# Altium PCB TE0888.PcbDoc (part 1 of 2) (continued)
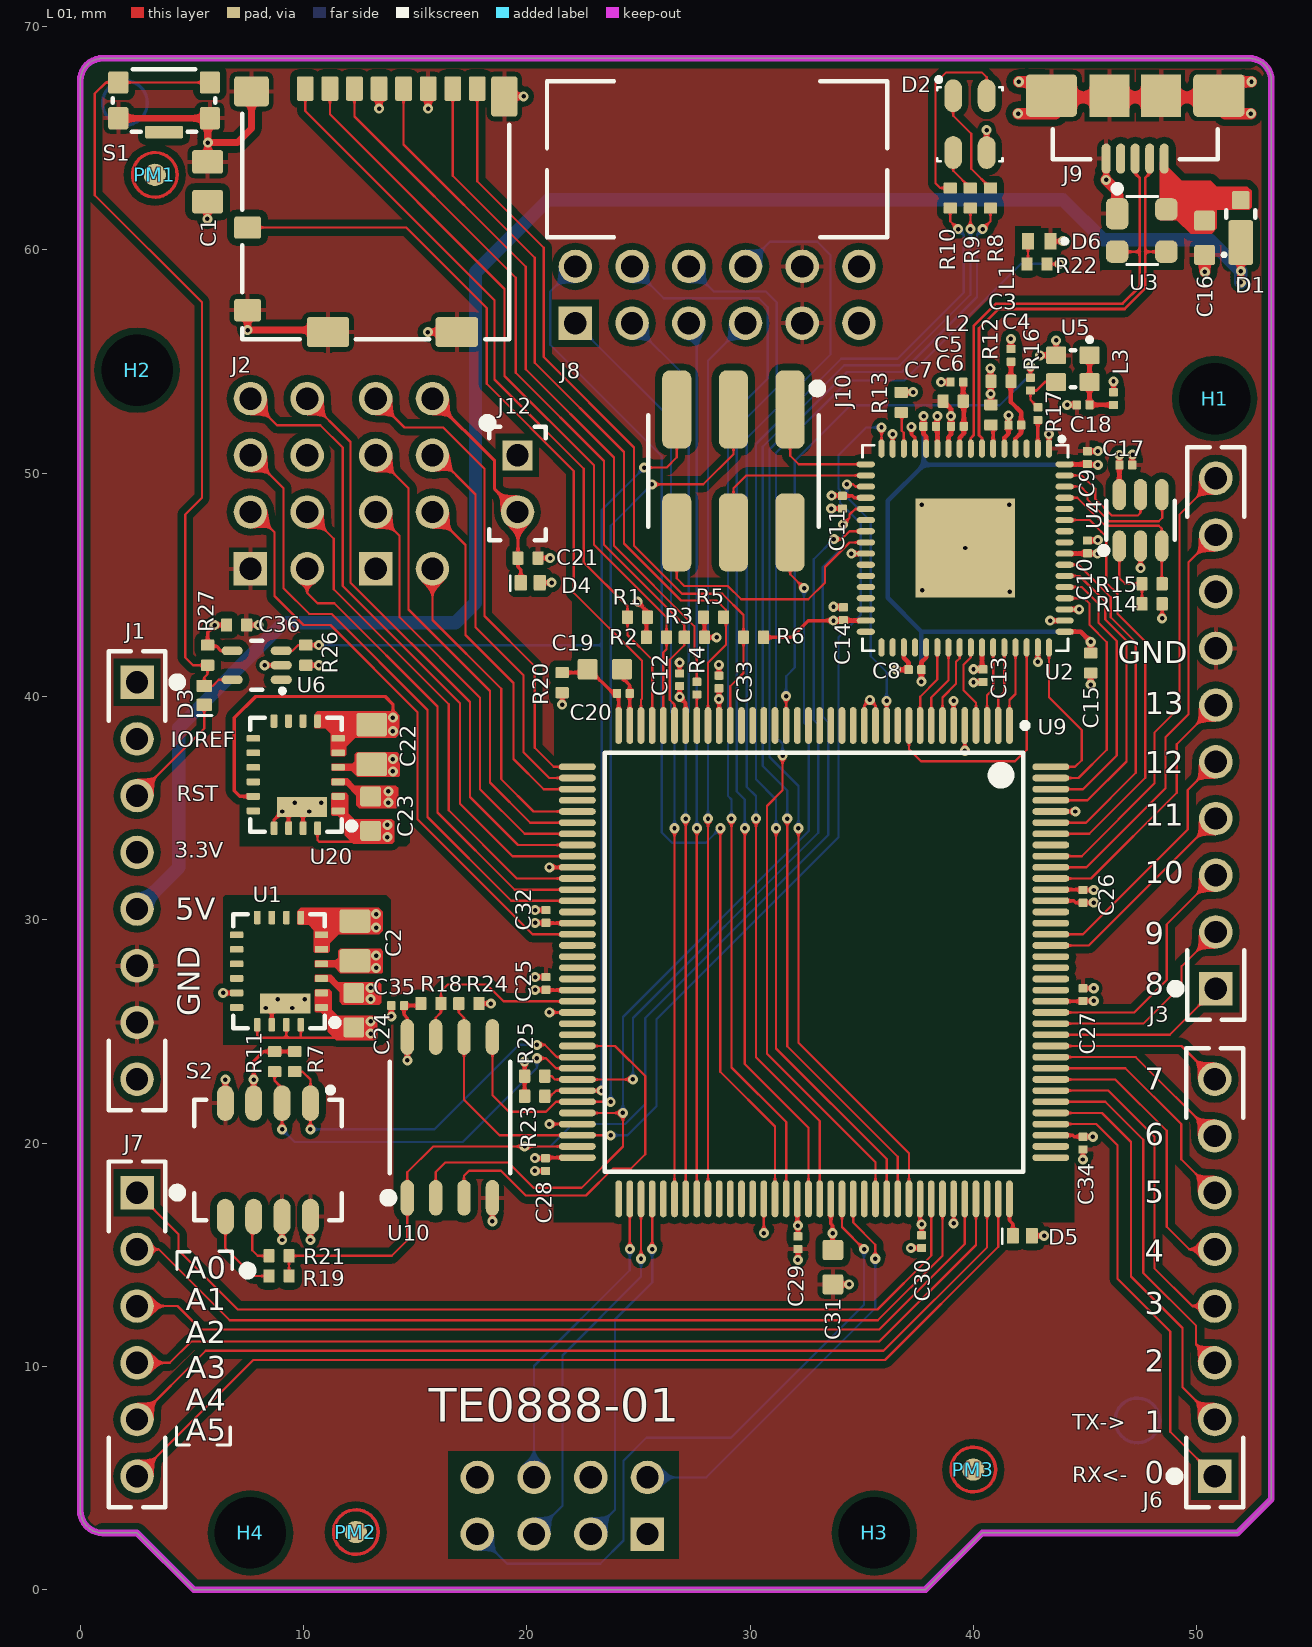
[diagram p0: L 01 view]
## Classes and differential pairs
net class FTDI_B: BCBUS0 BCBUS1 BCBUS2 BCBUS3 BCBUS4 BCBUS7 BDBUS0 BDBUS1 BDBUS2 BDBUS3 BDBUS4 BDBUS5 BDBUS6 BDBUS7
component class FTDI: C3 C4 C5 C6 C7 C8 C9 C10 C11 C12 C13 C14 C15 C16 C17 C18 J9 J10 L1 L2 L3 R12 R13 R14 R15 R16 R17 U2 U3 U4 U5
component class TE0888: H1 H2 H3 H4 PM1 PM2 PM3 PM4 PM5 PM6 R7 R11 R19 R21 S2
differential pair class Lendht22mm: MCB1_DRAM_CK MCB1_DRAM_DQS MCB1_DRAM_UDQ MCB3_DRAM_CK MCB3_DRAM_DQS MCB3_DRAM_UDQ
component class Arduino-Headers: C1 C21 D1 D2 D4 J1 J2 J3 J4 J5 J6 J7 J8 J11 J12 R1 R2 R3 R4 R5 R6 R8 R9 R10 S1
component class PowerSupply: C2 C22 C23 C24 C36 D3 R26 R27 U1 U6 U20
component class ICE: C19 C20 C25 C26 C27 C28 C29 C30 C31 C32 C33 C34 C35 D5 D6 R18 R20 R22 R23 R24 R25 U9 U10
differential pair D: +D_P -D_N

## Components (designator, comment, footprint, x,y, rotation, side; value= is the part's Value field where it differs from the comment)
C1 "47µF" CAPC2012X135N 5.7,63.05 r90 top
C2 "47µF" CAPC2012X135N 12.3,29.05 r90 top
C3 "4.7µF" CAPC1005X60N 41.23,54.12 r180 top
C4 "470nF" CAPC0603X33N 41.85,52.15 r180 top
C5 "4.7µF" CAPC1005X60N 39.09,53.23 r180 top
C6 "470nF" CAPC0603X33N 39.28,52.1 r180 top
C7 "470nF" CAPC0603X33N 38.04,52.1 r0 top
C8 "470nF" CAPC0603X33N 37.38,41.2 r180 top
C9 "470nF" CAPC0603X33N 45.1,50.7 r90 top
C10 "470nF" CAPC0603X33N 45.1,46.7 r90 top
C11 "470nF" CAPC0603X33N 34.13,48.7 r270 top
C12 "470nF" CAPC0603X33N 26.84,40.75 r90 top
C13 "470nF" CAPC0603X33N 40.43,40.93 r270 top
C14 "470nF" CAPC0603X33N 34.17,43.71 r270 top
C15 "4.7µF" CAPC1005X60N 45.25,41.501 r90 top
C16 "10µF" CAPC1608X90N 50.35,60.54 r90 top
C17 "470nF" CAPC0603X33N 46.82,50.37 r0 top
C18 "470nF" CAPC0603X33N 44.91,53.06 r0 top
C19 "10µF" CAPC1608X90N 23.49,41.22 r0 top
C20 "470nF" CAPC0603X33N 24.32,40.14 r180 top
C21 "4.7µF" CAPC1005X60N 20.05,46.2 r180 top
C22 "47µF" CAPC2012X135N 13.05,37.85 r90 top
C23 "10µF" CAPC1608X90N 13,34.75 r90 top
C24 "10µF" CAPC1608X90N 12.25,25.95 r90 top
C25 "470nF" CAPC0603X33N 20.85,27.15 r270 top
C26 "470nF" CAPC0603X33N 44.9,31.05 r90 top
C27 "470nF" CAPC0603X33N 44.9,26.65 r270 top
C28 "470nF" CAPC0603X33N 20.837,19.037 r90 top
C29 "470nF" CAPC0603X33N 32.137,15.537 r90 top
C30 "470nF" CAPC0603X33N 37.677,15.587 r90 top
C31 "10µF" CAPC1608X90N 33.702,14.443 r270 top
C32 "470nF" CAPC0603X33N 20.85,30.15 r270 top
C33 "470nF" CAPC0603X33N 28.6,40.65 r270 top
C34 "470nF" CAPC0603X33N 44.9,20 r90 top
C35 "470nF" CAPC0603X33N 14.213,26.158 r180 top
C36 "100nF" CAPC1005X55N 7,43.2 r180 top
D1 "PD3S230H" PowerDI323 51.97,60.98 r90 top
D2 "LED, RGB, 3528 PLCC" PLCC150P360X280X190-4N 39.84,65.63 r0 top
D3 "CDBQR0230L" DIOC1006X55N 5.55,40.05 r90 top
D4 "CDBQR0230L" DIOC1006X55N 20.15,45.1 r0 top
D5 "CDBQR0230L" DIOC1006X55N 42.19,15.85 r0 top
D6 "LED Green SML-P11MTT86" LEDC1006X25N_GREEN 42.94,60.39 r0 top
H1 "Mount.Hole 3.2mm (unplated)" MHole3_2mm-UNPLATED 50.8,53.34 r0 top locked
H2 "Mount.Hole 3.2mm (unplated)" MHole3_2mm-UNPLATED 2.54,54.61 r0 top locked
H3 "Mount.Hole 3.2mm (unplated)" MHole3_2mm-UNPLATED 35.56,2.54 r0 top locked
H4 "Mount.Hole 3.2mm (unplated)" MHole3_2mm-UNPLATED 7.62,2.54 r0 top locked
J1 "Female Header, 2.54mm, 1row, 8pol." BUCHSENLEISTE-2.54-8-1R 2.54,31.75 r270 top locked
J2 "microSD Memory Card Connector with Detec" 104031-0811 13.232,61.7 r180 top locked
J3 "Female Header, 2.54mm, 1row, 10pol." BUCHSENLEISTE-2.54-10-1R 50.85,38.345 r90 top locked
J4 "Pin Header 2.54 2Row 8Pins" "STIFTLEISTE2_54 OG 2R-8" 14.5,49.53 r90 bottom locked
J5 "Pin Header 2.54 2Row 8Pins" "STIFTLEISTE2_54 OG 2R-8" 21.59,3.76 r180 bottom
J6 "Female Header, 2.54mm, 1row, 8pol." BUCHSENLEISTE-2.54-8-1R 50.8,13.97 r90 top locked
J7 "Female Header, 2.54mm, 1row, 6pol." BUCHSENLEISTE-2.54-6-1R 2.54,11.43 r270 top locked
J8 "PMod 2x6 Socket 90°" PMod2x6 28.52,57.99 r0 top
J9 "Micro USB B Buche" "Micro USB B SMD W+P" 47.24,66.78 r180 top locked
J10 "SMD-254-9132-14-6" SMD-254-9132-14-6 29.25,50.1 r180 top
J11 "Pin Header 2.54 2Row 8Pins" "STIFTLEISTE2_54 OG 2R-8" 8.89,49.53 r90 bottom locked
J12 "JUMPER2.54-2" JUMPER2_54-2 19.58,49.53 r90 top locked
L1 "BKP0603HS121-T" INDC0603X33N 41.68,55.28 r90 top
L2 "BKP0603HS121-T" INDC0603X33N 39.26,54.08 r180 top
L3 "BKP0603HS121-T" INDC0603X33N 46.27,53.34 r90 top
PM1 "FIDU-DOT - small" "FIDU-DOT - small" 3.34,63.36 r0 top
PM2 "FIDU-DOT - small" "FIDU-DOT - small" 12.34,2.58 r0 top locked
PM3 "FIDU-DOT - small" "FIDU-DOT - small" 39.99,5.38 r0 top
PM4 "FIDU-DOT - small" "FIDU-DOT - small" 2,66.58 r180 bottom locked
PM5 "FIDU-DOT - small" "FIDU-DOT - small" 12.34,2.58 r180 bottom locked
PM6 "FIDU-DOT - small" "FIDU-DOT - small" 47.34,7.58 r180 bottom locked
R1 "12K" RESC1005X40N 24.95,43.55 r180 top
R2 "12K" RESC1005X40N 25.8,42.65 r0 top
R3 "12K" RESC1005X40N 27.5,42.65 r180 top
R4 "33R" RESC0603X26N 27.61,40.37 r90 top
R5 "12K" RESC1005X40N 28.36,43.55 r0 top
R6 "12K" RESC1005X40N 30.15,42.65 r180 top
R7 "12K" RESC1005X40N 9.6,23.65 r90 top
R8 "240R" RESC1005X40N 40.76,62.32 r90 top
R9 "240R" RESC1005X40N 39.86,62.32 r90 top
R10 "240R" RESC1005X40N 38.96,62.32 r90 top
R11 "12K" RESC1005X40N 8.7,23.65 r90 top
R12 "12K" RESC1005X40N 40.78,52.61 r270 top
R13 "2K61" RESC1005X40N 36.76,53.17 r270 top
R14 "12K" RESC1005X40N 48,44.15 r0 top
R15 "2K61" RESC1005X40N 48,45.05 r180 top
R16 "33R" RESC0603X26N 42.55,53.99 r90 top
R17 "33R" RESC0603X26N 42.88,52.67 r270 top
R18 "12K" RESC1005X40N 15.7,26.25 r0 top
R19 "12K" RESC1005X40N 8.9,14.05 r180 top
R20 "100R" RESC1005X40N 21.58,40.62 r90 top
R21 "12K" RESC1005X40N 8.9,14.95 r180 top
R22 "240R" RESC1005X40N 42.843,59.368 r0 top
R23 "12K" RESC1005X40N 20.35,22.1 r0 top
R24 "12K" RESC1005X40N 17.4,26.25 r180 top
R25 "12K" RESC1005X40N 20.35,23 r0 top
R26 "12K" RESC1005X40N 10.1,41.85 r270 top
R27 "12K" RESC1005X40N 5.7,41.85 r90 top
S1 "KMS221GLFS" KMS2xxGLFS 3.75,66.7 r180 top
S2 "CHS-04TA" CHS-04TA 8.4,19.25 r270 top
U1 "EN5311QI" EN5311QI 8.9,27.7 r180 top
U2 "FT2232HQ" QFN50P900X900X100-65N-445 39.63,46.65 r270 top locked
U3 "PRTR5V0U2X,215" SOT190P229X114-4N 47.56,60.87 r0 top
U4 "93AA56BT-I/OT" SOT95P280X145-6N 47.48,47.89 r90 top
U5 "SiT8008AI-73-XXS-12.000000E" 2016 44.45,54.68 r270 top
U6 "TPS3805H33DCKR" SOT65P210X110-5N 7.9,41.4 r180 top
U9 "ICE40HX1K-TQ144" LATC-TQFP-144_N 32.86,28.1 r270 top locked
U10 "S25FL127SABMFV10" SOIC127P790X216-8N 16.55,21.15 r90 top
U20 "EN5311QI" EN5311QI 9.65,36.5 r180 top

## Footprints (in the part's own frame and the unit in brackets; to place one, negate y for a bottom-side part, rotate by r counter-clockwise, add the part's x,y. Pads: shape width x height; smd on the part's side, far side on the other; paste and mask are expansions set on the pad)
2016 [mm]
  rrect20% 0.8x0.9 smd: 1(-0.6,0.75) 2(-0.6,-0.75) 3(0.6,-0.75) 4(0.6,0.75)
  silkscreen extent -1.4,-0.1 0.82,0.85, body extent -0.82,-1.02 0.82,1.03, height 0.81
104031-0811 [mm]
  rrect20% 0.75x1.1 smd: 1(3.155,-5.525) 2(2.055,-5.525) 3(0.955,-5.525) 4(-0.145,-5.525) 5(-1.245,-5.525) 6(-2.345,-5.525) 7(-3.445,-5.525) 8(-4.545,-5.525)
  rrect20% 1.2x1 smd: 9(5.74,0.7) 10(5.74,4.4)
  rrect20% 1.55x1.35 smd: G1(5.565,-5.4)
  rrect20% 1.17x1.8 smd: G2(-5.755,-5.175)
  rrect20% 1.9x1.35 smd: G3(-3.63,5.375) G4(2.14,5.375)
  silkscreen extent -5.98,-4.4 5.97,5.7, body extent -5.97,-9.7 5.98,5.7, height 1.45
BUCHSENLEISTE-2.54-6-1R [mm]
  rect 1.5x1.5 hole 1: 1(-6.35,0)
  round 1.5 hole 1: 2(-3.81,0) 3(-1.27,0) 4(1.27,0) 5(3.81,0) 6(6.35,0)
  silkscreen extent -7.75,-1.27 7.75,2, body extent -7.74,-1.25 7.75,1.25, height 8.5
BUCHSENLEISTE-2.54-8-1R [mm]
  rect 1.5x1.5 hole 1: 1(-8.89,0)
  round 1.5 hole 1: 2(-6.35,0) 3(-3.81,0) 4(-1.27,0) 5(1.27,0) 6(3.81,0) 7(6.35,0) 8(8.89,0)
  silkscreen extent -10.29,-1.27 10.29,2, body extent -10.28,-1.25 10.29,1.25, height 8.5
BUCHSENLEISTE-2.54-10-1R [mm]
  rect 1.5x1.5 hole 1: 1(-11.43,0)
  round 1.5 hole 1: 2(-8.89,0) 3(-6.35,0) 4(-3.81,0) 5(-1.27,0) 6(1.27,0) 7(3.81,0) 8(6.35,0) 9(8.89,0) 10(11.43,0)
  silkscreen extent -12.83,-1.27 12.83,2, body extent -12.82,-1.25 12.83,1.25, height 8.5
CAPC0603X33N [mm]
  rrect20% 0.37x0.4 smd: 1(-0.285,0) 2(0.285,0)
  body extent -0.3,-0.15 0.3,0.15, height 0.29
CAPC1005X55N [mm] "Vishay VJ0402 1 x 0.5mm (+/- 0.05), 0.25mm +0.05/-0.1mm Kontakte"
  rrect20% 0.5x0.6 smd: 1(-0.45,0) 2(0.45,0)
  body extent -0.5,-0.25 0.5,0.25, height 0.5
CAPC1005X60N [mm] "Vishay VJ0402 1 x 0.5mm (+/- 0.05), 0.25mm +0.05/-0.1mm Kontakte"
  rrect20% 0.5x0.6 smd: 1(-0.45,0) 2(0.45,0)
  body extent -0.5,-0.25 0.5,0.25, height 0.5
CAPC1608X90N [mm] "Vishay VJ0603 1.6 x 0.8 (+0.15/-0.1) 0.4 +/- 0,15mm Kontakte"
  rrect20% 0.89x0.93 smd: 1(-0.77,0) 2(0.77,0)
  body extent -0.8,-0.4 0.8,0.4, height 0.8
CAPC2012X135N [mm] "Vishay VJ0805 2 x 1.25 +/- 0.15, 0.5 +/- 0,2 Kontakte"
  rrect20% 1.05x1.38 smd: 1(-0.89,0) 2(0.89,0)
  body extent -1,-0.62 1,0.63, height 1.35
CHS-04TA [mm]
  oval 1.6x0.76 smd: 1(-2.54,1.905) 2(-2.54,0.635) 3(-2.54,-0.635) 4(-2.54,-1.905) 5(2.54,-1.905) 6(2.54,-0.635) 7(2.54,0.635) 8(2.54,1.905)
  silkscreen extent -3.25,-3.3 2.7,3.3, body extent -3.35,-3.15 3.35,3.16, height 1.55
DIOC1006X55N [mm]
  rrect20% 0.55x0.7 smd: 1(-0.425,0) 2(0.425,0)
  silkscreen extent -0.9,-0.35 -0.9,0.3, body extent -0.53,-0.33 0.53,0.33, height 0.56
EN5311QI [mm]
  rrect33% 0.6x0.3 smd: 1(-1.9,1.625) 2(-1.9,0.975) 3(-1.9,0.325) 4(-1.9,-0.325) 5(-1.9,-0.975) 6(-1.9,-1.625) 11(1.9,-1.625) 12(1.9,-0.975) 13(1.9,-0.325) 14(1.9,0.325) 15(1.9,0.975) 16(1.9,1.625)
  rrect33% 0.3x0.6 smd: 7(-0.975,-2.4) 8(-0.325,-2.4) 9(0.325,-2.4) 10(0.975,-2.4) 17(0.975,2.4) 18(0.325,2.4) 19(-0.325,2.4) 20(-0.975,2.4)
  rect 2.25x0.9 smd: 21(-0.275,1.45)
  silkscreen extent -2.65,-2.55 2.05,2.55, body extent -2.05,-2.55 2.05,2.55, height 1.16
"FIDU-DOT - small" [mm]
  round 1 smd paste-1: 0(0,0)
  L 01 circle w0.15: c0,0 r1
INDC0603X33N [mm]
  rrect20% 0.37x0.4 smd: 1(-0.285,0) 2(0.285,0)
  body extent -0.32,-0.17 0.32,0.17, height 0.33
JUMPER2_54-2 [mm]
  rect 1.35x1.35 hole 1: 1(1.27,0)
  round 1.5 hole 1: 2(-1.27,0)
  silkscreen extent -2.54,-1.27 2.92,1.55, body extent -2.44,-1.25 2.64,1.25, height 8.2
KMS2xxGLFS [mm]
  rrect20% 0.9x1 smd: 1(-2.05,-0.8) 2(-2.05,0.8) 4(2.05,0.8) 5(2.05,-0.8)
  rrect20% 1.7x0.55 smd: 3(0,1.425)
  silkscreen extent -2.3,-1.4 2.3,1.4, body extent -2.3,-2.15 2.3,1.4, height 1.42
LATC-TQFP-144_N [mm] "QFP, 144-Leads, Body 20x20mm, Pitch 0.5mm, IPC Medium Density"
  oval 1.65x0.3 smd: 1(-10.6,8.75) 2(-10.6,8.25) 3(-10.6,7.75) 4(-10.6,7.25) 5(-10.6,6.75) 6(-10.6,6.25) 7(-10.6,5.75) 8(-10.6,5.25) 9(-10.6,4.75) 10(-10.6,4.25) 11(-10.6,3.75) 12(-10.6,3.25) 13(-10.6,2.75) 14(-10.6,2.25) 15(-10.6,1.75) 16(-10.6,1.25) 17(-10.6,0.75) 18(-10.6,0.25) 19(-10.6,-0.25) 20(-10.6,-0.75) 21(-10.6,-1.25) 22(-10.6,-1.75) 23(-10.6,-2.25) 24(-10.6,-2.75) 25(-10.6,-3.25) 26(-10.6,-3.75) 27(-10.6,-4.25) 28(-10.6,-4.75) 29(-10.6,-5.25) 30(-10.6,-5.75) 31(-10.6,-6.25) 32(-10.6,-6.75) 33(-10.6,-7.25) 34(-10.6,-7.75) 35(-10.6,-8.25) 36(-10.6,-8.75) 73(10.6,-8.75) 74(10.6,-8.25) 75(10.6,-7.75) 76(10.6,-7.25) 77(10.6,-6.75) 78(10.6,-6.25) 79(10.6,-5.75) 80(10.6,-5.25) 81(10.6,-4.75) 82(10.6,-4.25) 83(10.6,-3.75) 84(10.6,-3.25) 85(10.6,-2.75) 86(10.6,-2.25) 87(10.6,-1.75) 88(10.6,-1.25) 89(10.6,-0.75) 90(10.6,-0.25) 91(10.6,0.25) 92(10.6,0.75) 93(10.6,1.25) 94(10.6,1.75) 95(10.6,2.25) 96(10.6,2.75) 97(10.6,3.25) 98(10.6,3.75) 99(10.6,4.25) 100(10.6,4.75) 101(10.6,5.25) 102(10.6,5.75) 103(10.6,6.25) 104(10.6,6.75) 105(10.6,7.25) 106(10.6,7.75) 107(10.6,8.25) 108(10.6,8.75)
  oval 0.3x1.65 smd: 37(-8.75,-10.6) 38(-8.25,-10.6) 39(-7.75,-10.6) 40(-7.25,-10.6) 41(-6.75,-10.6) 42(-6.25,-10.6) 43(-5.75,-10.6) 44(-5.25,-10.6) 45(-4.75,-10.6) 46(-4.25,-10.6) 47(-3.75,-10.6) 48(-3.25,-10.6) 49(-2.75,-10.6) 50(-2.25,-10.6) 51(-1.75,-10.6) 52(-1.25,-10.6) 53(-0.75,-10.6) 54(-0.25,-10.6) 55(0.25,-10.6) 56(0.75,-10.6) 57(1.25,-10.6) 58(1.75,-10.6) 59(2.25,-10.6) 60(2.75,-10.6) 61(3.25,-10.6) 62(3.75,-10.6) 63(4.25,-10.6) 64(4.75,-10.6) 65(5.25,-10.6) 66(5.75,-10.6) 67(6.25,-10.6) 68(6.75,-10.6) 69(7.25,-10.6) 70(7.75,-10.6) 71(8.25,-10.6) 72(8.75,-10.6) 109(8.75,10.6) 110(8.25,10.6) 111(7.75,10.6) 112(7.25,10.6) 113(6.75,10.6) 114(6.25,10.6) 115(5.75,10.6) 116(5.25,10.6) 117(4.75,10.6) 118(4.25,10.6) 119(3.75,10.6) 120(3.25,10.6) 121(2.75,10.6) 122(2.25,10.6) 123(1.75,10.6) 124(1.25,10.6) 125(0.75,10.6) 126(0.25,10.6) 127(-0.25,10.6) 128(-0.75,10.6) 129(-1.25,10.6) 130(-1.75,10.6) 131(-2.25,10.6) 132(-2.75,10.6) 133(-3.25,10.6) 134(-3.75,10.6) 135(-4.25,10.6) 136(-4.75,10.6) 137(-5.25,10.6) 138(-5.75,10.6) 139(-6.25,10.6) 140(-6.75,10.6) 141(-7.25,10.6) 142(-7.75,10.6) 143(-8.25,10.6) 144(-8.75,10.6)
  silkscreen extent -10.72,-9.38 9.38,9.57, body extent -10,-10 10,10, height 1.6
LEDC1006X25N_GREEN [mm] "LED 0402, 2-Leads, Body 1,0x0,6mm, IPC Medium Density"
  rect 0.54x0.74 smd: A(-0.5,0) K(0.5,0)
  silkscreen extent 1.05,-0.1 1.25,0.1, body extent -0.51,-0.25 0.51,0.25, height 0.45
MHole3_2mm-UNPLATED [mm]
  round 0 hole 3.2 unplated: 1(0,0)
  body extent -3.82,-3.7 3.68,3.8, height 2.33
"Micro USB B SMD W+P" [mm]
  oval 0.4x1.35 smd: 1(-1.3,2.694) 2(-0.65,2.694) 3(0,2.694) 4(0.65,2.694) 5(1.3,2.694)
  rrect20% 2.3x1.9 smd: S1(-3.75,-0.131) S4(3.75,-0.131)
  rect 1.8x1.9 smd: S2(-1.15,-0.131) S3(1.15,-0.131)
  silkscreen extent -3.7,1.37 3.7,2.72, body extent -3.99,-2.71 3.99,2.72, height 2.72
PLCC150P360X280X190-4N [mm]
  oval 0.8x1.47 smd: 1(-0.75,1.27) 2(-0.75,-1.27) 3(0.75,-1.27) 4(0.75,1.27)
  silkscreen extent -1.5,-1.66 1.46,2.1, body extent -1.4,-1.75 1.4,1.75, height 1.9
PMod2x6 [mm]
  rect 1.5x1.5 hole 1: 1(-6.35,-1.27)
  round 1.5 hole 1: 2(-3.81,-1.27) 3(-1.27,-1.27) 4(1.27,-1.27) 5(3.81,-1.27) 6(6.35,-1.27) 7(-6.35,1.27) 8(-3.81,1.27) 9(-1.27,1.27) 10(1.27,1.27) 11(3.81,1.27) 12(6.35,1.27)
  silkscreen extent -7.62,2.57 7.62,9.57, body extent -7.87,-1.58 7.87,11.31, height 4.98
PowerDI323 [mm]
  rrect20% 2x1.1 smd: 1(-0.65,0)
  rrect20% 0.8x0.8 smd: 2(1.25,0)
  silkscreen extent -1.25,-0.65 0.8,0.8, body extent -1.38,-0.65 1.38,0.65, height 0.7
QFN50P900X900X100-65N-445 [mm]
  oval 0.82x0.27 smd: 1(-4.45,3.75) 2(-4.45,3.25) 3(-4.45,2.75) 4(-4.45,2.25) 5(-4.45,1.75) 6(-4.45,1.25) 7(-4.45,0.75) 8(-4.45,0.25) 9(-4.45,-0.25) 10(-4.45,-0.75) 11(-4.45,-1.25) 12(-4.45,-1.75) 13(-4.45,-2.25) 14(-4.45,-2.75) 15(-4.45,-3.25) 16(-4.45,-3.75) 33(4.45,-3.75) 34(4.45,-3.25) 35(4.45,-2.75) 36(4.45,-2.25) 37(4.45,-1.75) 38(4.45,-1.25) 39(4.45,-0.75) 40(4.45,-0.25) 41(4.45,0.25) 42(4.45,0.75) 43(4.45,1.25) 44(4.45,1.75) 45(4.45,2.25) 46(4.45,2.75) 47(4.45,3.25) 48(4.45,3.75)
  oval 0.27x0.82 smd: 17(-3.75,-4.45) 18(-3.25,-4.45) 19(-2.75,-4.45) 20(-2.25,-4.45) 21(-1.75,-4.45) 22(-1.25,-4.45) 23(-0.75,-4.45) 24(-0.25,-4.45) 25(0.25,-4.45) 26(0.75,-4.45) 27(1.25,-4.45) 28(1.75,-4.45) 29(2.25,-4.45) 30(2.75,-4.45) 31(3.25,-4.45) 32(3.75,-4.45) 49(3.75,4.45) 50(3.25,4.45) 51(2.75,4.45) 52(2.25,4.45) 53(1.75,4.45) 54(1.25,4.45) 55(0.75,4.45) 56(0.25,4.45) 57(-0.25,4.45) 58(-0.75,4.45) 59(-1.25,4.45) 60(-1.75,4.45) 61(-2.25,4.45) 62(-2.75,4.45) 63(-3.25,4.45) 64(-3.75,4.45)
  rect 4.45x4.45 smd: 65(0,0)
  silkscreen extent -4.97,-4.6 4.6,4.6, body extent -4.52,-4.52 4.52,4.52, height 0.9
RESC0603X26N [mm]
  rrect20% 0.37x0.4 smd: 1(-0.285,0) 2(0.285,0)
  body extent -0.34,-0.16 0.34,0.17, height 0.34
RESC1005X40N [mm] "Vishay D0402 1 x 0.5mm (+/- 0.05), 0.2mm +/-0.1mm Kontakte"
  rrect20% 0.5x0.6 smd: 1(-0.45,0) 2(0.45,0)
  body extent -0.5,-0.25 0.5,0.25, height 0.35
SMD-254-9132-14-6 [mm]
  rrect50% 1.3x3.5 smd: 1(-2.54,-2.75) 2(-2.54,2.75) 3(0,-2.75) 4(0,2.75) 5(2.54,-2.75) 6(2.54,2.75)
  silkscreen extent -3.95,-3.9 3.81,2.5, body extent -3.86,-3.75 3.76,3.75, height 9.77
SOIC127P790X216-8N [mm]
  oval 1.6x0.6 smd: 1(-3.6,1.905) 2(-3.6,0.635) 3(-3.6,-0.635) 4(-3.6,-1.905) 5(3.6,-1.905) 6(3.6,-0.635) 7(3.6,0.635) 8(3.6,1.905)
  silkscreen extent -3.8,-2.7 2.5,2.95, body extent -4.05,-2.73 4.05,2.73, height 1.75
SOT65P210X110-5N [mm]
  oval 0.95x0.4 smd: 1(-1.1,0.65) 2(-1.1,0) 3(-1.1,-0.65) 4(1.1,-0.65) 5(1.1,0.65)
  silkscreen extent -1.25,-1.1 0.25,1.25, body extent -1.2,-1.1 1.2,1.1, height 1.1
SOT95P280X145-6N [mm]
  oval 1.4x0.6 smd: 1(-1.15,0.95) 2(-1.15,0) 3(-1.15,-0.95) 4(1.15,-0.95) 5(1.15,0) 6(1.15,0.95)
  silkscreen extent -1.5,-1.53 0.87,1.8, body extent -1.52,-1.5 1.48,1.5, height 1.3
SOT190P229X114-4N [mm]
  rrect50% 1x1.4 smd: 1(-1.125,0.75)
  rrect50% 1x1 smd: 2(-1.125,-0.95) 3(1.075,-0.95) 4(1.075,0.95)
  silkscreen extent -1.27,-1.52 0.7,2.02, body extent -1.21,-1.44 1.21,1.48, height 1
"STIFTLEISTE2_54 OG 2R-8" [mm]
  rect 1.5x1.5 hole 1: 1(-3.81,-1.27)
  round 1.5 hole 1: 2(-3.81,1.27) 3(-1.27,-1.27) 4(-1.27,1.27) 5(1.27,-1.27) 6(1.27,1.27) 7(3.81,-1.27) 8(3.81,1.27)
  silkscreen extent -6.18,-2.54 5.08,2.54, body extent -5.08,-2.54 5.08,2.54, height 8.5

## Part data
C1 C2 C22: library part 24718, "KON 47µF 6,3V  X5R SMD 20%"
C3 C5 C15 C21: library part 24719, "KON 4.7µF 6.3V X5R SMD 20%"
C4 C6 C7 C8 C9 C10 C11 C12 C13 C14 C17 C18 C20 C25 C26 C27 C28 C29 C30 C32 C33 C34 C35: library part 24921, "KON 470nF X5R 6.3V SMD 20%"
C16 C19 C23 C24 C31: library part 25341, "KON 10µF 16V X5R SMD 20%"
C36: library part 26183, "KON 100nF 50V SMD AEC-Q200"
D1: library part 24682
D2: library part 26299
D3 D4 D5: library part 26726
D6: library part 24211, "LED Grün SML-P11MTT86 SMD"
H1 H2 H3 H4: library part 24910
J1 J6: library part 26387, "Buchsenleiste 1 reihig präz. 8 pol."
J2: library part 26322, "microSD Memory Card Connector with Detect Switch"
J3: library part 26386, "Buchsenleiste 1 reihig präz. 10 pol."
J4 J5 J11: library part 23904, "Stiftleiste gerade 2-reihig, 8pol."
J7: library part 26388, "Buchsenleiste 1 reihig präz. 6 pol."
J8: library part 25215
J9: library part 23760, "STE USB MICRO B Buchse SMD"
J10: library part 22742, "Stiftleiste gerade 2-reihig, 6pol. SMD"
J12: library part 22330, "Stiftleiste gerade 1-reihig, 2pol."
L1 L2 L3: library part 25393, "Ferritdurchführung SMD 0201"
PM1 PM2 PM3 PM4 PM5 PM6: library part 22905, "FIDU-DOT - SMALL"
R1 R2 R3 R5 R6 R7 R11 R12 R14 R18 R19 R21 R23 R24 R25 R26 R27: library part 22598, "WID SMD 12K 1% 0,063W"
R4 R16 R17: library part 25021, "WID SMD 33R 1% 0,05W"
R8 R9 R10 R22: library part 23661, "WID SMD 240R 1% 0,063W"
R13 R15: library part 23730, "WID SMD 2K61 1% 0,063W"
R20: library part 22507, "WID SMD 100R 1% 0,063W"
S1: library part 26229, "KMS221GLFS - SWITCH, SPST, 0.05A, 32VDC, SMD"
S2: library part 23417, "DIP Schalter 4 fach 1,27mm SMD"
U1 U20: library part 25492
U2: library part 24727
U3: library part 24840
U4: library part 24730
U5: library part 25325, "SiT8008AI-73-XXS-12.000000E MEMS Oszillator 12MHz"
U6: library part 25049
U9: "iCE40 HX1K Series FPGA Family, 1280 Logic Cells, 1.2 V Core, 64 K Embedded RAM Bits, 144-pin TQFP, Pb-Free, Tray"
U10: library part 26078, "S25FL127SABMFV10 automotive SO8"

## Via types
v1: diameter 0.45, hole 0.2, L 01 to L 04, 178 vias

## Nets (pads, with @x,y where several pads share a name; then routed paths per layer and width w, separated by ;. In a path a pad name is that pad's centre, name@x,y a point inside that pad or via, vN(x,y) a via of type N, cw(c..) or ccw(c..) an arc to the next point about the centre after c; other vN are vias at no path point)
1.2V: C2.2 C31.1 C32.2 C33.2 C34.2 R20.1 U1.5 U1.6 U1.7 U1.15 U9.27 U9.51 U9.92 U9.111 | length 77.9
  L 01 w0.15: v1(6.395,26.725) U1.15@7,26.725 ; v1(20.365,29.865) C32.2@20.85,29.865 20.865,29.85 U9.51@22.26,29.85 ; v1(21.58,39.635) R20.1@21.58,40.17 ; C33.2@28.6,40.365 v1(28.6,39.88) 28.61,39.87 U9.27@28.61,38.7 ; U9.92@33.61,17.5 33.61,16.39 33.687,16.313 v1(33.687,15.963) 33.687,15.302 C31.1@33.787,15.202 ; U9.111@43.46,20.35 44.45,20.35 44.515,20.285 C34.2@44.9,20.285 v1(45.35,20.285)
  L 03 w0.15: v1(6.395,26.725) 7.125,26.725 11.55,31.15 13.75,31.15 14.25,30.65 14.25,29.7
  L 03 w1: v1(13.25,30.25) 13.25,29.61 24.362,29.61 ; v1(21.58,39.635) 21.58,38.445 24.362,35.662 ; v1(28.6,39.88) 27.9,39.18 27.88,39.18 24.362,35.662 ; v1(33.687,15.963) 33.687,20.285 ; v1(45.35,20.285) 33.687,20.285 ; 24.362,29.61 24.362,35.662 ; 24.362,29.61 33.687,20.285
  other v1: 13.25,29.65
3.3V: C1.1 C10.1 C11.1 C12.1 C13.1 C14.2 C17.1 C22.2 C25.2 C26.2 C27.2 C28.2 C29.2 C30.2 C35.1 C36.2 D2.3 D4.2 D5.2 J1.2 J1.4 J2.4 J5.4 J5.8 J8.6 J8.12 J11.6 J12.1 L1.2 L2.2 L3.2 R1.1 R2.1 R3.1 R5.1 R6.1 R7.2 R11.2 R13.1 R14.2 R18.1 R23.1 R24.1 R25.1 R26.2 R27.2 S2.3 U2.20 U2.31 U2.42 U2.50 U2.56 U4.6 U6.4 U9.6 U9.30 U9.46 U9.57 U9.72 U9.89 U9.100 U9.123 U9.133 U10.8 U20.5 U20.6 U20.7 U20.15 | length 61.6
  L 01 w0.1: v1(48.45,43.5) R14.2@48.45,44.15
  L 01 w0.15: C36.2@6.55,43.2 v1(6.015,43.2) 5.7,42.885 R27.2@5.7,42.3 5.75,42.25 6.1,42.25 6.3,42.05 U6.4@6.8,42.05 ; U20.15@7.75,35.525 7.145,35.525 6.9,35.77 6.9,39.05 7.85,40 13.65,40 14,39.65 v1(14,39.05) ; v1(7.765,22.84) 7.765,23.665 8.2,24.1 R7.2@9.6,24.1 ; R26.2@10.1,41.4 v1(10.685,41.4) ; U10.8@14.645,24.75 14.645,25.595 14.498,25.742 C35.1@14.498,26.158 15.158,26.158 R18.1@15.25,26.25 ; R24.1@17.85,26.25 v1(18.385,26.25) ; R23.1@19.9,22.1 R25.1@19.9,23 v1(19.9,23.65) ; v1(20.352,19.322) C28.2@20.837,19.322 20.865,19.35 U9.72@22.26,19.35 ; v1(20.365,26.865) C25.2@20.85,26.865 20.865,26.85 U9.57@22.26,26.85 ; D4.2@20.575,45.1 v1(21.11,45.1) ; v1@21,32.35 U9.46@22.26,32.35 ; v1(24.95,44.25) 25.4,43.8 R1.1@25.4,43.55 25.35,43.5 R2.1@25.35,42.65 ; C12.1@26.84,40.465 v1(26.84,39.98) 27.11,39.71 U9.30@27.11,38.7 ; R5.1@27.91,43.55 27.95,43.51 R3.1@27.95,42.65 v1(28.5,42.65) ; R6.1@30.6,42.65 31.85,42.65 32.6,43.4 v1(33.73,43.4) ; v1@32.11,16.307 U9.89@32.11,17.5 ; C29.2@32.137,15.822 v1(32.137,16.307) ; v1(33.65,49) 34.115,49 C11.1@34.13,48.985 34.565,48.985 34.65,48.9 U2.20@35.18,48.9 ; U9.100@37.61,17.5 37.6,17.49 37.6,16.435 v1(37.677,16.357) C30.2@37.677,15.872 ; U9.6@39.11,38.7 v1(39.11,39.8) ; D5.2@42.615,15.85 v1(43.165,15.85) ; U9.123@43.46,26.35 44.885,26.35 C27.2@44.9,26.365 v1(45.385,26.365) ; U9.133@43.46,31.35 44.885,31.35 C26.2@44.9,31.335 v1(45.385,31.335) ; L3.2@46.27,53.625 v1(46.27,54.11)
  L 01 w0.2: S2.3@7.765,21.79 v1(7.765,22.84) ; v1(14.645,23.7) U10.8@14.645,24.75 ; v1(33.73,43.4) U2.31@35.18,43.4 ; R13.1@36.76,53.62 v1@37.3,53.62 ; v1@38.57,54.08 L2.2@38.975,54.08 ; v1@40.005,41.215 C13.1@40.38,41.215 ; U2.42@40.38,42.2 C13.1@40.38,41.215 ; C13.1@40.43,41.215 C13.1@40.38,41.215 ; D2.3@40.59,64.36 v1(40.59,65.36) ; L1.2@41.68,55.565 v1@41.68,56.03 ; v1(43.43,43.4) U2.50@44.08,43.4 ; U2.56@44.08,46.4 v1(45.56,46.4) ; U4.6@46.53,49.04 46.53,50.365 C17.1@46.535,50.37 v1@46.535,50.725
  L 01 w0.3: v1(5.69,61.392) C1.1@5.69,62.18 ; v1(13.377,66.327) J2.4@13.377,67.225
  other v1: 21.01,32.35 14,38.45 40,41.22 46.54,50.82 37.3,53.63 38.55,54.08 41.67,56.02
5V: C23.1 C24.1 D1.1 J1.5 U1.1 U1.2 U1.17 U1.19 U1.20 U20.1 U20.2 U20.20 | length 112.9
  L 01 w0.1: U1.17@7.925,25.3 7.925,24.825 8.03,24.72 9.86,24.72 ; 9.225,24.72 U1.19@9.225,25.3 ; U1.20@9.875,25.3 9.875,24.735 9.86,24.72 ; U20.20@10.625,34.1 10.625,33.575 10.7,33.5 12.37,33.5 C23.1@12.85,33.98 ; 11.86,24.7 11.84,24.72 9.86,24.72 ; 12.59,33.52 12.61,33.5
  L 01 w0.3: v1(51.97,58.55) v1(51.97,59.05) D1.1@51.97,60.33
  L 03 w2: J1.5@2.54,30.48 8.23,30.48 11.45,33.7 v1(13.75,33.7) v1@13.75,33.925 ; 5,30.48 5,25.1 5.5,24.6 7.155,24.6 7.25,24.695 ; 7.925,24.695 12.795,24.695 v1@12.916,24.816
  L 04 w0.6: J1.5@2.54,30.48 4.4,32.34 4.4,38.6 9.1,43.3 16.8,43.3 17.7,44.2 17.7,59 20.95,62.25 44,62.25 45.8,60.45 50.57,60.45 v1(51.97,59.05) v1(51.97,58.55)
  other v1: 13,24.9 13,25.45 13.75,34.25
ADBUS3: U2.19 U9.12 | length 12.4
  L 01 w0.1: v1(34.33,49.5) 34.6,49.5 34.7,49.4 U2.19@35.18,49.4 ; U9.12@36.11,38.7 v1(36.11,39.8)
  L 04 w0.1: v1(34.33,49.5) 34.33,48.92 35.4,47.85 35.4,41.8 36.11,41.09 v1(36.11,39.8)
ADBUS5: U2.22
ADBUS7: J10.6 U2.24 | length 12.4
  L 01 w0.1: J10.6@26.71,47.35 26.71,45.29 27.05,44.95 29,44.95 29.6,44.35 32.6,44.35 33.35,45.1 33.35,45.8 34.45,46.9 U2.24@35.18,46.9
AIN0: J7.1 U9.101 | length 41.7
  L 01 w0.1: J7.1@2.54,17.78 4.4,15.92 4.4,15.2 7.05,12.55 35.7,12.55 38.11,14.96 U9.101@38.11,17.5
AIN1: J7.2 U9.102 | length 41.1
  L 01 w0.1: J7.2@2.54,15.24 3.51,15.24 6.687,12.063 35.713,12.063 38.61,14.96 U9.102@38.61,17.5
AIN2: J7.3 U9.104 | length 41.1
  L 01 w0.1: J7.3@2.54,12.7 4.353,12.7 5.4,11.653 35.783,11.653 39.61,15.48 U9.104@39.61,17.5
AIN3: J7.4 U9.105 | length 41.8
  L 01 w0.1: J7.4@2.54,10.16 4.01,10.16 4.963,11.113 35.783,11.113 40.11,15.44 U9.105@40.11,17.5
AIN4: J7.5 U9.106 | length 43.4
  L 01 w0.1: J7.5@2.54,7.62 5.62,10.7 35.97,10.7 40.61,15.34 U9.106@40.61,17.5
AIN5: J7.6 U9.107 | length 45
  L 01 w0.1: J7.6@2.54,5.08 7.743,10.283 36.033,10.283 41.11,15.36 U9.107@41.11,17.5
AREF: J3.8
BCBUS0: U2.48 U9.144 | length 7.2
  L 01 w0.1: U2.48@43.38,42.2 43.38,39.97 44.85,38.5 44.85,37.15 44.55,36.85 U9.144@43.46,36.85
BCBUS1: U2.52 U9.143 | length 11.1
  L 01 w0.1: U9.143@43.46,36.35 44.7,36.35 45.97,37.62 45.97,42.43 45.2,43.2 45.2,44.15 44.95,44.4 U2.52@44.08,44.4
BCBUS2: U2.53 U9.142 | length 12.5
  L 01 w0.1: U9.142@43.46,35.85 44.9,35.85 46.41,37.36 46.41,42.49 45.6,43.3 45.6,44.15 44.85,44.9 U2.53@44.08,44.9
BCBUS3: U2.54 U9.141 | length 14
  L 01 w0.1: U9.141@43.46,35.35 45.11,35.35 46.85,37.09 46.85,42.5 45.9,43.45 45.9,44.25 44.75,45.4 U2.54@44.08,45.4
BCBUS4: U2.55 U9.139 | length 15.7
  L 01 w0.1: U9.139@43.46,34.35 45.04,34.35 47.27,36.58 47.27,42.43 46.15,43.55 46.15,44.45 44.7,45.9 U2.55@44.08,45.9